# Altium PCB Brake Module PCB.PcbDoc
Units mil, origin at the board's own origin, x right, y up, seen from the top; angles counter-clockwise.
Board outline 11200 x 5900 mil, 4 copper layers (Top Layer, Int1 (GND), Int2 (PWR), Bottom Layer), stack 53.912 mil thick; 155 components, 110 nets, 509 pads, 38 vias.
Unrouted connection lines stored in the file: 260.
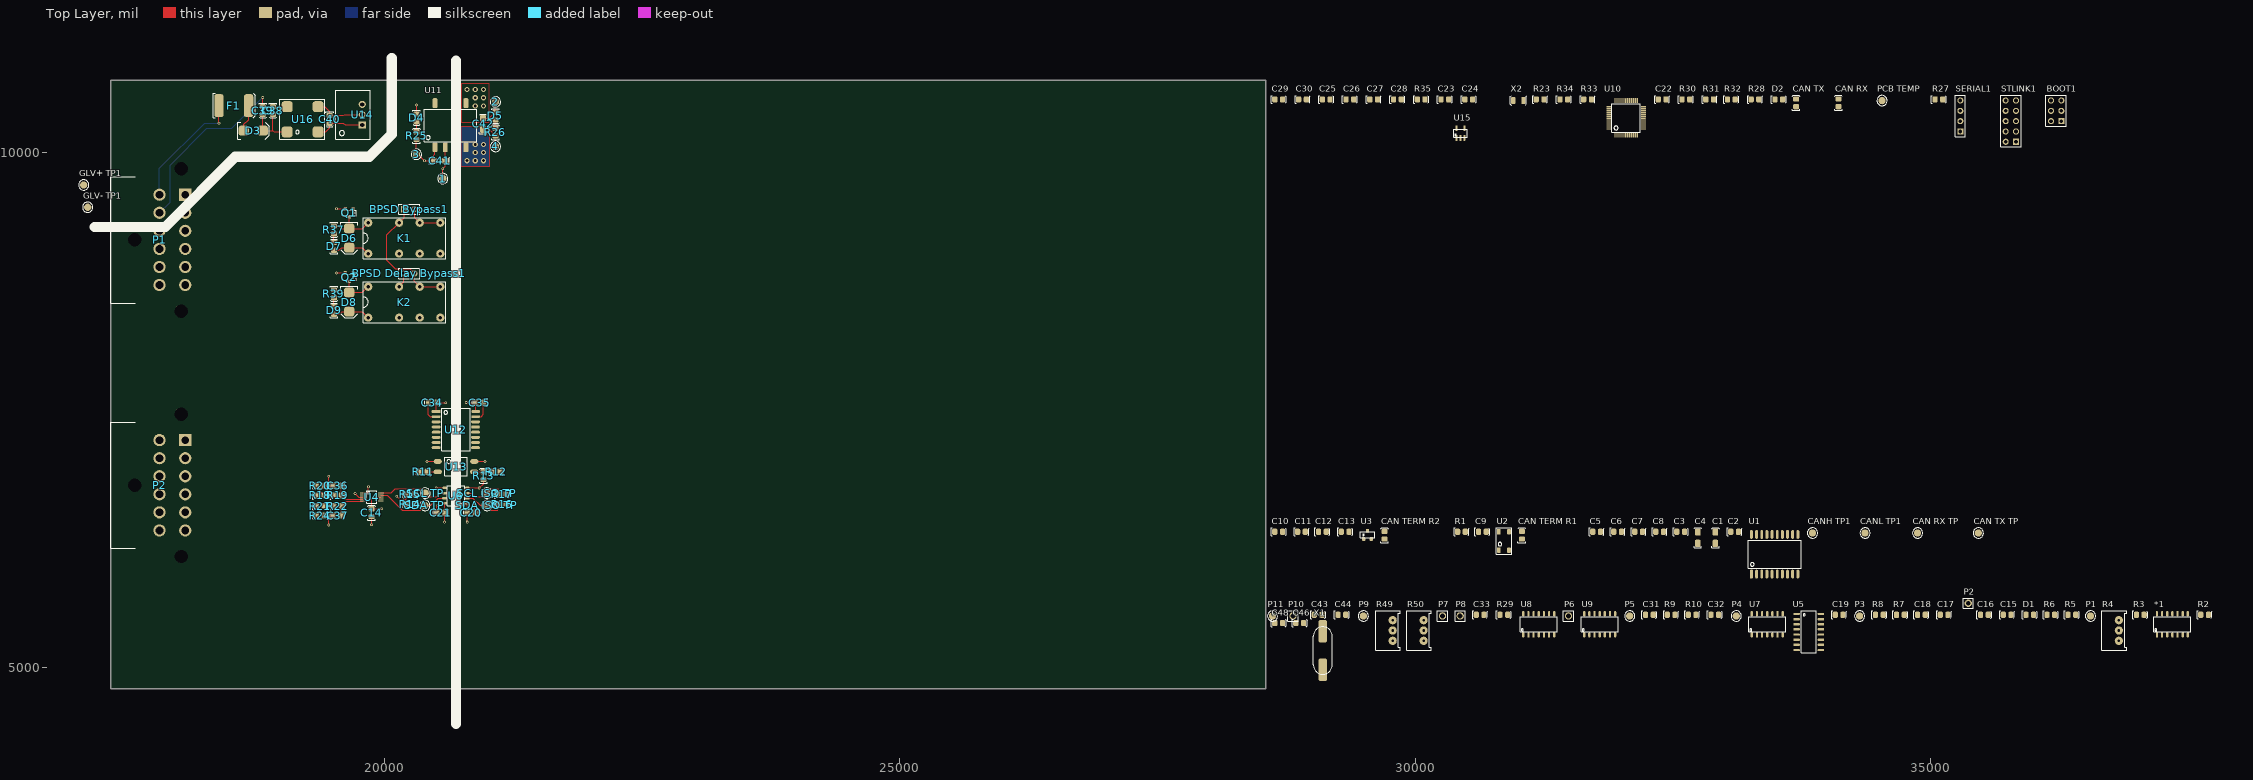
[diagram p0: Top Layer view]
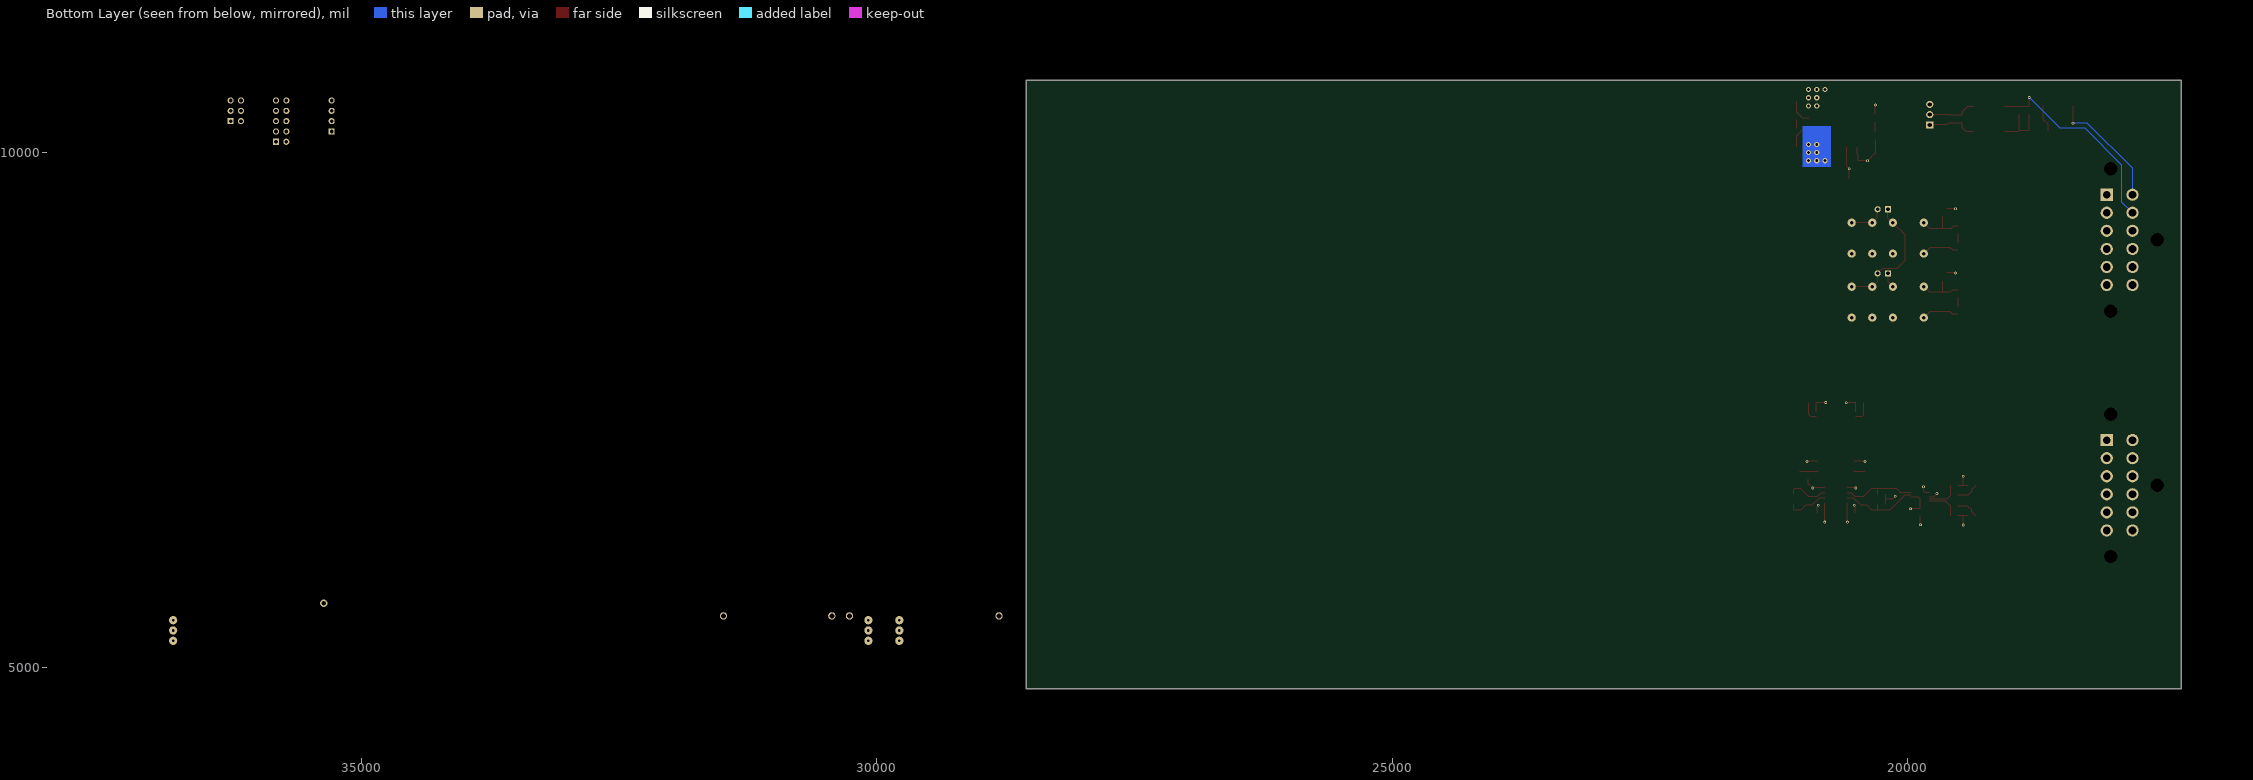
[diagram p1: Bottom Layer view, seen from below]
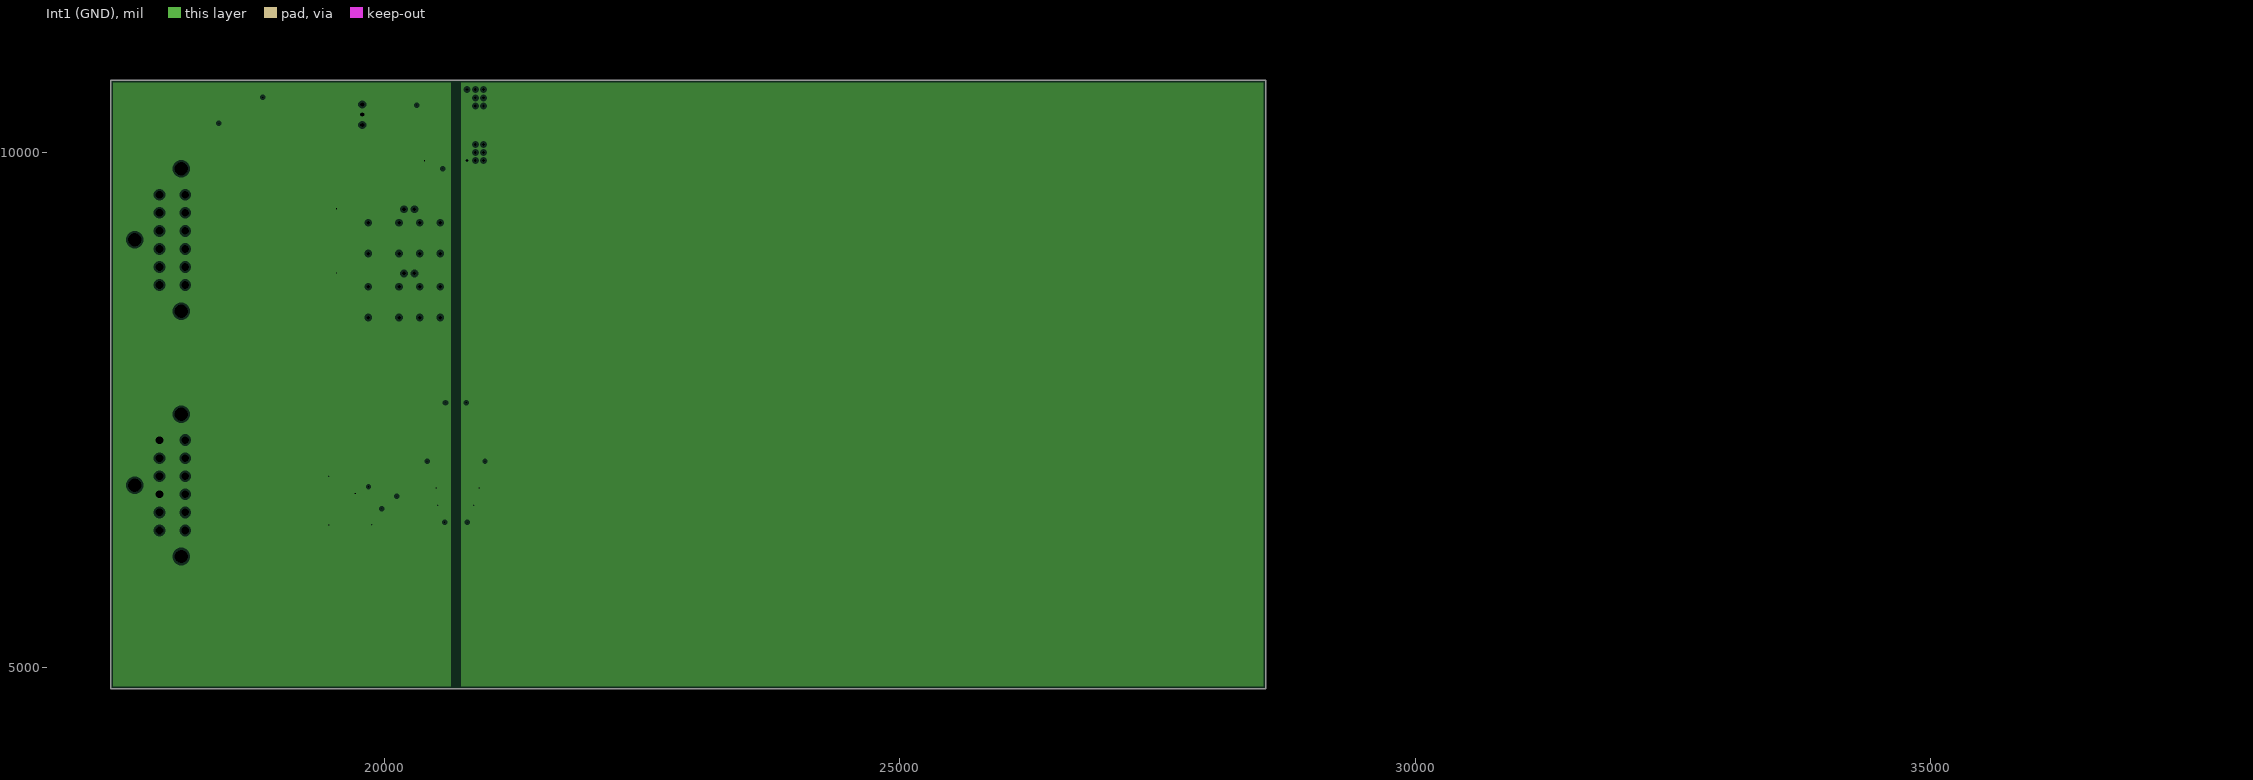
[diagram p2: Int1 (GND), clearances drawn from the general rule]
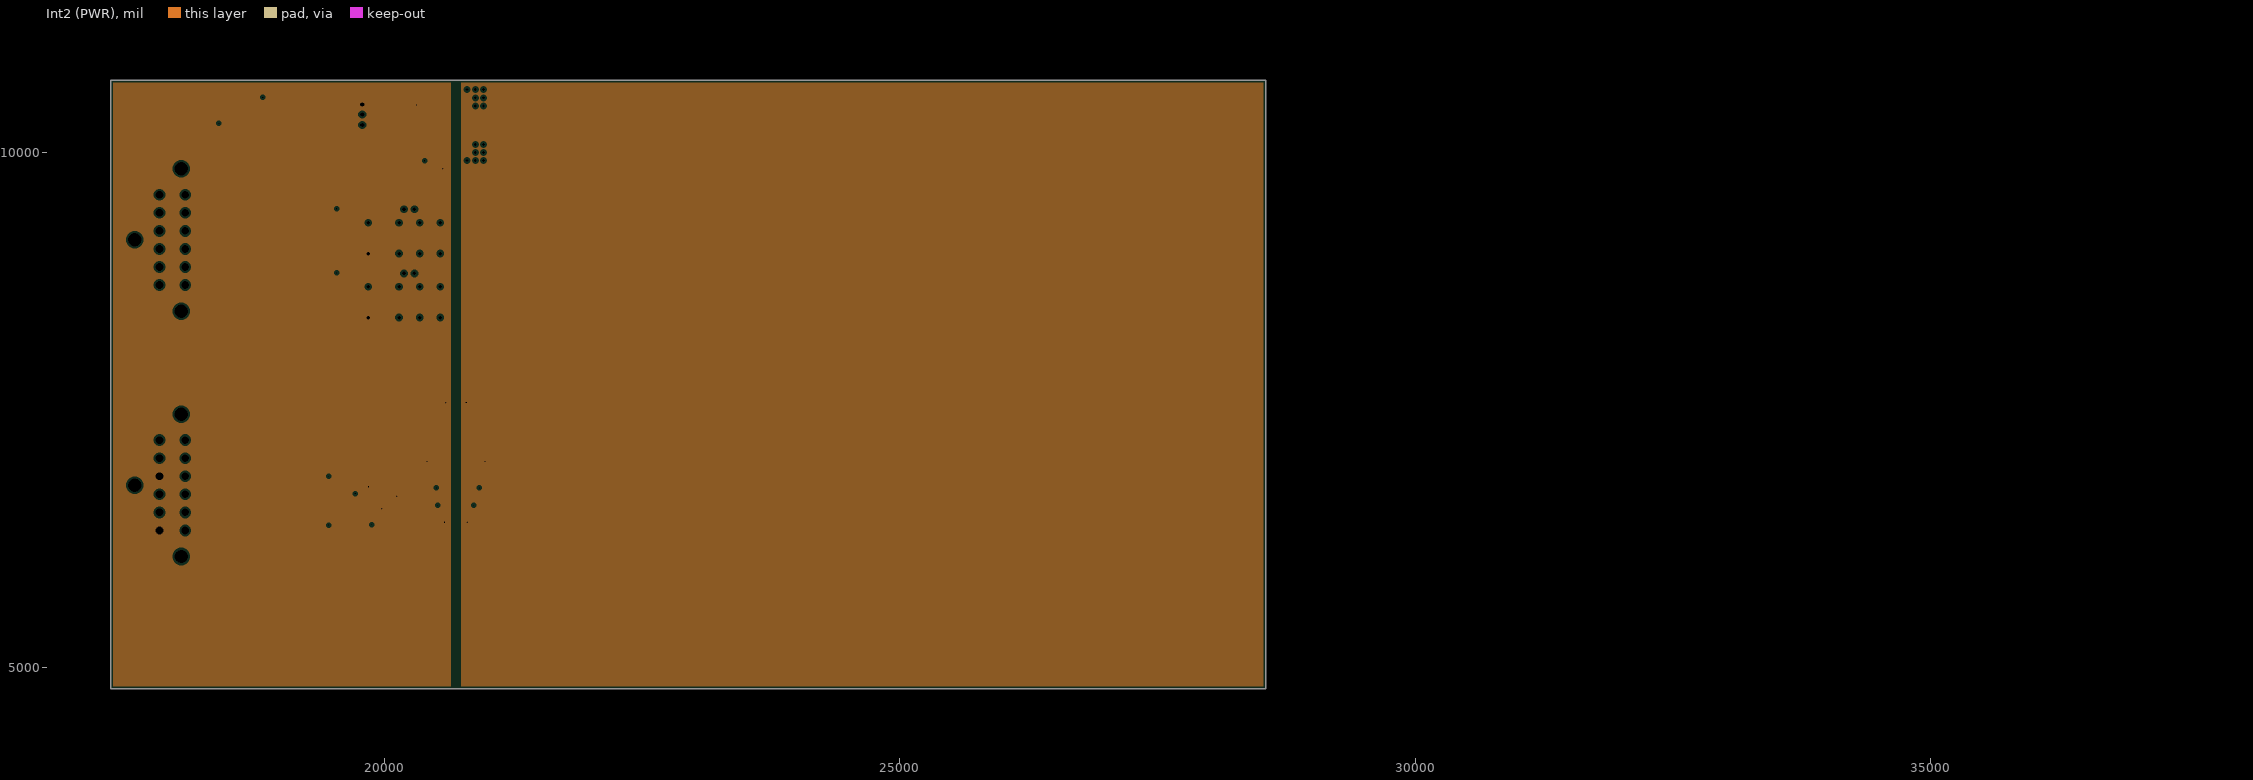
[diagram p3: Int2 (PWR), clearances drawn from the general rule]

## Layer stack, top to bottom
Top Solder: solder mask 1, SM-001, Dk 4
Top Layer: signal copper 1.378
Dielectric 1: prepreg 5.1, PP-017, Dk 4.3
Dielectric 2: prepreg 5.1, PP-017, Dk 4.3
Int1 (GND): plane copper 1.378, net (Multiple Nets)
Dielectric 3: core 28, Core-039, Dk 4.8
Int2 (PWR): plane copper 1.378, net (Multiple Nets)
Dielectric 4: prepreg 5.1, PP-017, Dk 4.3
Dielectric 5: prepreg 5.1, PP-017, Dk 4.3
Bottom Layer: signal copper 1.378
Bottom Solder: solder mask 1, SM-001, Dk 4

## Board outline
17350,4800 17350,10700 28550,10700 28550,4800

## Design rules (kind name [scope] priority, off if disabled: settings)
Clearance [All] p1: gap=10 ignorepadtopadclearanceinfootprint=FALSE except(0: Arc-Hole Track-Hole SMDPad-Hole THPad-Hole Via-Hole Fill-Hole Poly-Hole Region-Hole Text-Hole; 6: Arc-SMDPad Track-SMDPad SMDPad-SMDPad)
Height [All] p1: minheight=0 maxheight=1968.5 prefheight=500
PlaneClearance [All] p1: clearance=20
PlaneConnect [All] p1: planeconnectstyle=Relief reliefexpansion=20 reliefentries=4 reliefconductorwidth=31.5 reliefairgap=10
PolygonConnect [All] p1: connectstyle=Relief reliefconductorwidth=31.5 reliefentries=4 polygonreliefangle="90 Angle" airgapwidth=10
RoomDefinition "U_Safety Loops" [InComponentClass('U_Safety Loops')] p1: confinementstyle=ConfineIn formatcopy=TRUE lockcomponents=FALSE outline 0,0 2000,0 2000,1000 0,1000
RoomDefinition "U_4 Channel ADC" [InComponentClass('U_4 Channel ADC')] p2: confinementstyle=ConfineIn formatcopy=TRUE lockcomponents=FALSE outline 0,0 2000,0 2000,1000 0,1000
RoomDefinition "U_Power Supply" [InComponentClass('U_Power Supply')] p3: confinementstyle=ConfineIn formatcopy=TRUE lockcomponents=FALSE outline 25158.87,17552.03 31060.87,17552.03 31060.87,18224.03 25158.87,18224.03
RoomDefinition U_Microcontroller [InComponentClass('U_Microcontroller')] p4: confinementstyle=ConfineIn formatcopy=TRUE lockcomponents=FALSE outline 28595,9935 36401,9935 36401,10663 28595,10663
RoomDefinition U_Header [InComponentClass('U_Header')] p5: confinementstyle=ConfineIn formatcopy=TRUE lockcomponents=FALSE outline 28595,5567 36650,5567 36650,9642 28595,9642
RoomDefinition "U_Digital Isolation" [InComponentClass('U_Digital Isolation')] p6: confinementstyle=ConfineIn formatcopy=TRUE lockcomponents=FALSE outline 28595,6519 34137,6519 34137,7151 28595,7151
RoomDefinition U_CAN [InComponentClass('U_CAN')] p7: confinementstyle=ConfineIn formatcopy=TRUE lockcomponents=FALSE outline 28595,5837 35954,5837 35954,6469 28595,6469
RoomDefinition U_BSPD [InComponentClass('U_BSPD')] p8: confinementstyle=ConfineIn formatcopy=TRUE lockcomponents=FALSE outline 28557,5139 37740,5139 37740,9519 28557,9519
RoutingVias [All] p1: holewidth=28 width=50 viastyle="Through Hole" minholewidth=8 minwidth=10 maxholewidth=28 maxwidth=50
SolderMaskExpansion [All] p1: expansion=4 istentingtop=FALSE
Width [All] p1: maxlimit=118.11 minlimit=5 preferedwidth=19.68
27 further rules are at their usual default settings.

## Classes and differential pairs
component class "U_4 Channel ADC": C14 U4
component class U_BSPD: *1 C15 C16 C17 C18 C19 C31 C32 C33 C43 C44 D1 P1 P2 P3 P4 P5 P6 P7 P8 P9 P10 P11 R2 R3 R4 R5 R6 R7 R8 R9 R10 R29 R49 R50 U5 U7 U8 U9
component class U_CAN: C1 C2 C3 C4 C5 C6 C7 C8 C9 C10 C11 C12 C13 "CAN RX TP" "CAN TERM R1" "CAN TERM R2" "CAN TX TP" "CANH TP1" "CANL TP1" R1 U1 U2 U3
component class "U_Digital Isolation": C20 C21 C34 C35 R11 R12 R13 R14 R15 R16 R17 "SCL ISO TP" "SCL TP" "SDA ISO TP" "SDA TP" U6 U12 U13
component class U_Header: P1 P2
component class "U_Input Filter": C36 C37 R18 R19 R20 R21 R22 R24
component class U_Microcontroller: BOOT1 C22 C23 C24 C25 C26 C27 C28 C29 C30 C46 C48 "CAN RX" "CAN TX" D2 "PCB TEMP" R23 R27 R28 R30 R31 R32 R33 R34 R35 SERIAL1 STLINK1 U10 U15 X1 X2
component class "U_Power Supply": 1 2 3 4 C38 C39 C40 C41 C42 D3 D4 D5 F1 "GLV+ TP1" "GLV- TP1" R25 R26 U11 U14 U16
component class "U_Safety Loops": "BPSD Bypass1" "BPSD Delay Bypass1" D6 D7 D8 D9 K1 K2 Q1 Q2 R37 R39

## Components (designator, comment, footprint, x,y, rotation, side; value= is the part's Value field where it differs from the comment)
1 "0mm" "SMD Test Point" 20569.87,9747 r90 top
2 "0mm" "SMD Test Point" 21080.65,10491.28 r90 top
3 "0mm" "SMD Test Point" 20314,9982 r90 top
4 "0mm" "SMD Test Point" 21080.65,10058.2 r90 top
*1 "NE556DR" "TI 14-SOIC" 37946,5219 r0 top
BOOT1 "2.54mm" "TH 2.54mm Header 2x3" 36269,10304 r90 top
"BPSD Bypass1" "2.54mm" "TH 2.54mm Header 1x2" 20194,9448.99 r0 top
"BPSD Delay Bypass1" "2.54mm" "TH 2.54mm Header 1x2" 20194,8827 r0 top
C1 "10nF" 1206 32913,6311 r90 top
C2 "100nF" 0805 33100,6322 r0 top
C3 "100nF" 0805 32577,6322 r0 top
C4 "10nF" 1206 32743,6311 r90 top
C5 "10uF" 0805 31762,6322 r0 top
C6 "100nF" 0805 31965,6322 r0 top
C7 "10uF" 0805 32169,6322 r0 top
C8 "100nF" 0805 32373,6322 r0 top
C9 "22pF" 0805 30654,6322 r0 top
C10 "100pF" 0805 28678,6322 r0 top
C11 "100pF" 0805 28899,6322 r0 top
C12 "100pF" 0805 29102,6322 r0 top
C13 "100pF" 0805 29323,6322 r0 top
C14 "100nF" 0805 19878,6507 r90 top
C15 "10uF" 0805 35743,5517 r0 top
C16 "10pF" 0805 35523,5517 r0 top
C17 "10pF" 0805 35132,5517 r0 top
C18 "10uF" 0805 34912,5517 r0 top
C19 "100nF" 0805 34114,5517 r0 top
C20 "100nF" 0805 20843.93,6506.17 r180 top
C21 "100nF" 0805 20550.07,6507 r0 top
C22 "100nF" 0805 32397,10516 r0 top
C23 "22pF" 0805 30290,10516 r0 top
C24 "22pF" 0805 30521,10516 r0 top
C25 "1uF" 0805 29139,10516 r0 top
C26 "100nF" 0805 29369,10516 r0 top
C27 "100nF" 0805 29599,10516 r0 top
C28 "100nF" 0805 29830,10516 r0 top
C29 "22pF" 0805 28678,10516 r0 top
C30 "22pF" 0805 28909,10516 r0 top
C31 "100nF" 0805 32274,5517 r0 top
C32 "100nF" 0805 32908,5517 r0 top
C33 "100nF" 0805 30632,5517 r0 top
C34 "100nF" 0805 20468.07,7574 r0 top
C35 "100nF" 0805 20925.93,7573.17 r180 top
C36 "100nF" 0805 19549,6768.83 r0 top
C37 "100nF" 0805 19549,6479 r0 top
C38 "10uF" 0805 18922.23,10406.17 r270 top
C39 "10uF" 0805 18824.83,10406.17 r270 top
C40 "10uF" 0805 19473.41,10321.05 r270 top
C41 "22uF" 1206 20586.13,9920.41 r0 top
C42 "22uF" 1206 20960,10325.36 r90 top
C43 "100nF" 0805 29061,5517 r0 top
C44 "100nF" 0805 29291,5517 r0 top
C46 "100nF" 0805 28882,5436 r0 top
C48 "22uF" 0805 28678,5436 r0 top
"CAN RX" "Blue" "0805 LED" 34106,10482 r90 top
"CAN RX TP" "0mm" "SMD Test Point" 34874,6309 r90 top
"CAN TERM R1" "56R" 0805 31035,6288 r90 top
"CAN TERM R2" "56R" 0805 29704,6288 r90 top
"CAN TX" "Blue" "0805 LED" 33696,10482 r90 top
"CAN TX TP" "0mm" "SMD Test Point" 35464,6309 r90 top
"CANH TP1" "0mm" "SMD Test Point" 33855,6309 r90 top
"CANL TP1" "0mm" "SMD Test Point" 34365,6309 r90 top
D1 "Yellow" "0805 LED" 35963,5517 r0 top
D2 "Red" "0805 LED" 33529,10516 r0 top
D3 "SD560BTR" "SMB Diode" 18648.61,10211.76 r0 top
D4 "Red" "0805 LED" 20316.23,10335.93 r270 top
D5 "Red" "0805 LED" 21081.68,10353.48 r270 top
D6 "SD560BTR" "SMB Diode" 19662,9252.66 r270 top
D7 "Green" "0805 LED" 19514,9089.28 r90 top
D8 "SD560BTR" "SMB Diode" 19662,8632 r270 top
D9 "Green" "0805 LED" 19514,8468.61 r90 top
F1 "0ZCF0100AF2A" 2920 18398.61,10455.07 r0 top
"GLV+ TP1" "0mm" "SMD Test Point" 17086.61,9685.04 r90 top
"GLV- TP1" "0mm" "SMD Test Point" 17125.98,9468.5 r90 top
K1 "V23105A5475A201" "TI 2-DIL" 20196,9169 r0 top
K2 "V23105A5475A201" "TI 2-DIL" 20196,8548.34 r0 top
P1 "0mm" "SMD Test Point" 36552,5504 r0 top
P1 "DT13-12P" DT13-12P 17821.65,9590.35 r270 top
P2 "0mm" "TH Test Point" 35366,5628 r0 top
P2 "DT13-12P" DT13-12P 17821.65,7210.04 r270 top
P3 "0mm" "SMD Test Point" 34312,5504 r0 top
P4 "0mm" "SMD Test Point" 33116,5504 r0 top
P5 "0mm" "SMD Test Point" 32082,5504 r0 top
P6 "0mm" "TH Test Point" 31489,5505 r0 top
P7 "0mm" "TH Test Point" 30267,5505 r0 top
P8 "0mm" "TH Test Point" 30438,5505 r0 top
P9 "0mm" "SMD Test Point" 29499,5504 r0 top
P10 "0mm" "TH Test Point" 28816,5505 r0 top
P11 "0mm" "SMD Test Point" 28618,5504 r0 top
"PCB TEMP" "0mm" "SMD Test Point" 34530,10503 r90 top
Q1 "2N7002K" "ON SOT-23 MOSFET" 19662,9415 r180 top
Q2 "2N7002K" "ON SOT-23 MOSFET" 19662,8792 r180 top
R1 "0R" 0805 30451,6322 r0 top
R2 "10k" 0805 37659,5517 r0 top
R3 "1M" 0805 37035,5517 r0 top
R4 "10K (Var)" "B 3296" 36805,5367 r90 top
R5 "20k" 0805 36371,5517 r0 top
R6 "20k" 0805 36167,5517 r0 top
R7 "1.5k" 0805 34708,5517 r0 top
R8 "3.3k" 0805 34504,5517 r0 top
R9 "3.3k" 0805 32484,5517 r0 top
R10 "3.3k" 0805 32688,5517 r0 top
R11 "680R" 0805 20382,6901.97 r180 top
R12 "100R" 0805 21086.87,6904.03 r0 top
R13 "10k" 0805 20964,6866.07 r90 top
R14 "3.3k" 0805 20253,6588.6 r180 top
R15 "3.3k" 0805 20253,6683 r180 top
R16 "3.3k" 0805 21145.07,6589.63 r0 top
R17 "3.3k" 0805 21145.07,6684.03 r0 top
R18 "0R" 0805 19381.91,6675 r0 top
R19 "1k" 0805 19549,6675 r0 top
R20 "200R" 0805 19380,6766.76 r180 top
R21 "0R" 0805 19381.91,6572 r0 top
R22 "1k" 0805 19549,6572 r0 top
R23 "10k" 0805 31213,10516 r0 top
R24 "200R" 0805 19380,6476.94 r180 top
R25 "680R" 0805 20314.16,10164.45 r90 top
R26 "680R" 0805 21079.61,10198.44 r90 top
R27 "10k" 0805 35082,10516 r0 top
R28 "10K (NTC) (B25/85 3430K)" 0805 33298,10516 r0 top
R29 "10k" 0805 30862,5517 r0 top
R30 "510R" 0805 32628,10516 r0 top
R31 "510R" 0805 32858,10516 r0 top
R32 "510R" 0805 33068,10516 r0 top
R33 "10k" 0805 31674,10516 r0 top
R34 "10k" 0805 31444,10516 r0 top
R35 "10M" 0805 30060,10516 r0 top
R37 "680R" 0805 19514.83,9248.72 r270 top
R39 "680R" 0805 19514.83,8628.06 r270 top
R49 "10K (Var)" "B 3296" 29761,5367 r90 top
R50 "10K (Var)" "B 3296" 30061,5367 r90 top
"SCL ISO TP" "0mm" "SMD Test Point" 20998,6696.43 r180 top
"SCL TP" "0mm" "SMD Test Point" 20399,6696.43 r0 top
"SDA ISO TP" "0mm" "SMD Test Point" 20998,6576 r180 top
"SDA TP" "0mm" "SMD Test Point" 20396,6576 r0 top
SERIAL1 "2.54mm" "TH 2.54mm Header 1x4" 35289,10204 r90 top
STLINK1 "2.54mm" "TH 2.54mm Header 2x5" 35829,10104 r90 top
U1 "ADM3053" "AD SOIC-W 20" 33488,6103 r0 top
U2 "B82787C0104H002" "TDK 4-PC Pad" 30813,6142 r90 top
U3 "NUP2105L" "ON SOT-23" 29539,6290 r0 top
U4 "ADS1115" "TI 10-VSSOP" 19881,6658 r0 top
U5 "MC74HC595ADR2G" "ON 16-SOIC" 33814,5524 r0 top
U6 "ISO1540DR" "TI 8-SOIC" 20426,6696 r180 top
U7 "CD74HC30M96" "TI 14-SOIC" 34016,5219 r0 top
U8 "SN74HC00DR" "TI 14-SOIC" 31800,5219 r0 top
U9 "LMV339IDR" "TI 14-SOIC" 32391,5219 r0 top
U10 "STM32F103C8T6" "STM 48-LQFP" 32048,10336 r0 top
U11 "R2S-0505/HP" "RECOM 8-SMD (5 Pin)" 20644,10262.6 r0 top